# Altium PCB PCB_supply unit.PcbDoc
Units mm, origin at the board's own origin, x right, y up, seen from the top; angles counter-clockwise.
Board outline 65.5 x 61 mm, 4 copper layers (Top Layer, INT1, INT2, Bottom Layer), stack 1.49 mm thick; 35 components, 26 nets, 126 pads, 0 vias.
Unrouted connection lines stored in the file: 70.
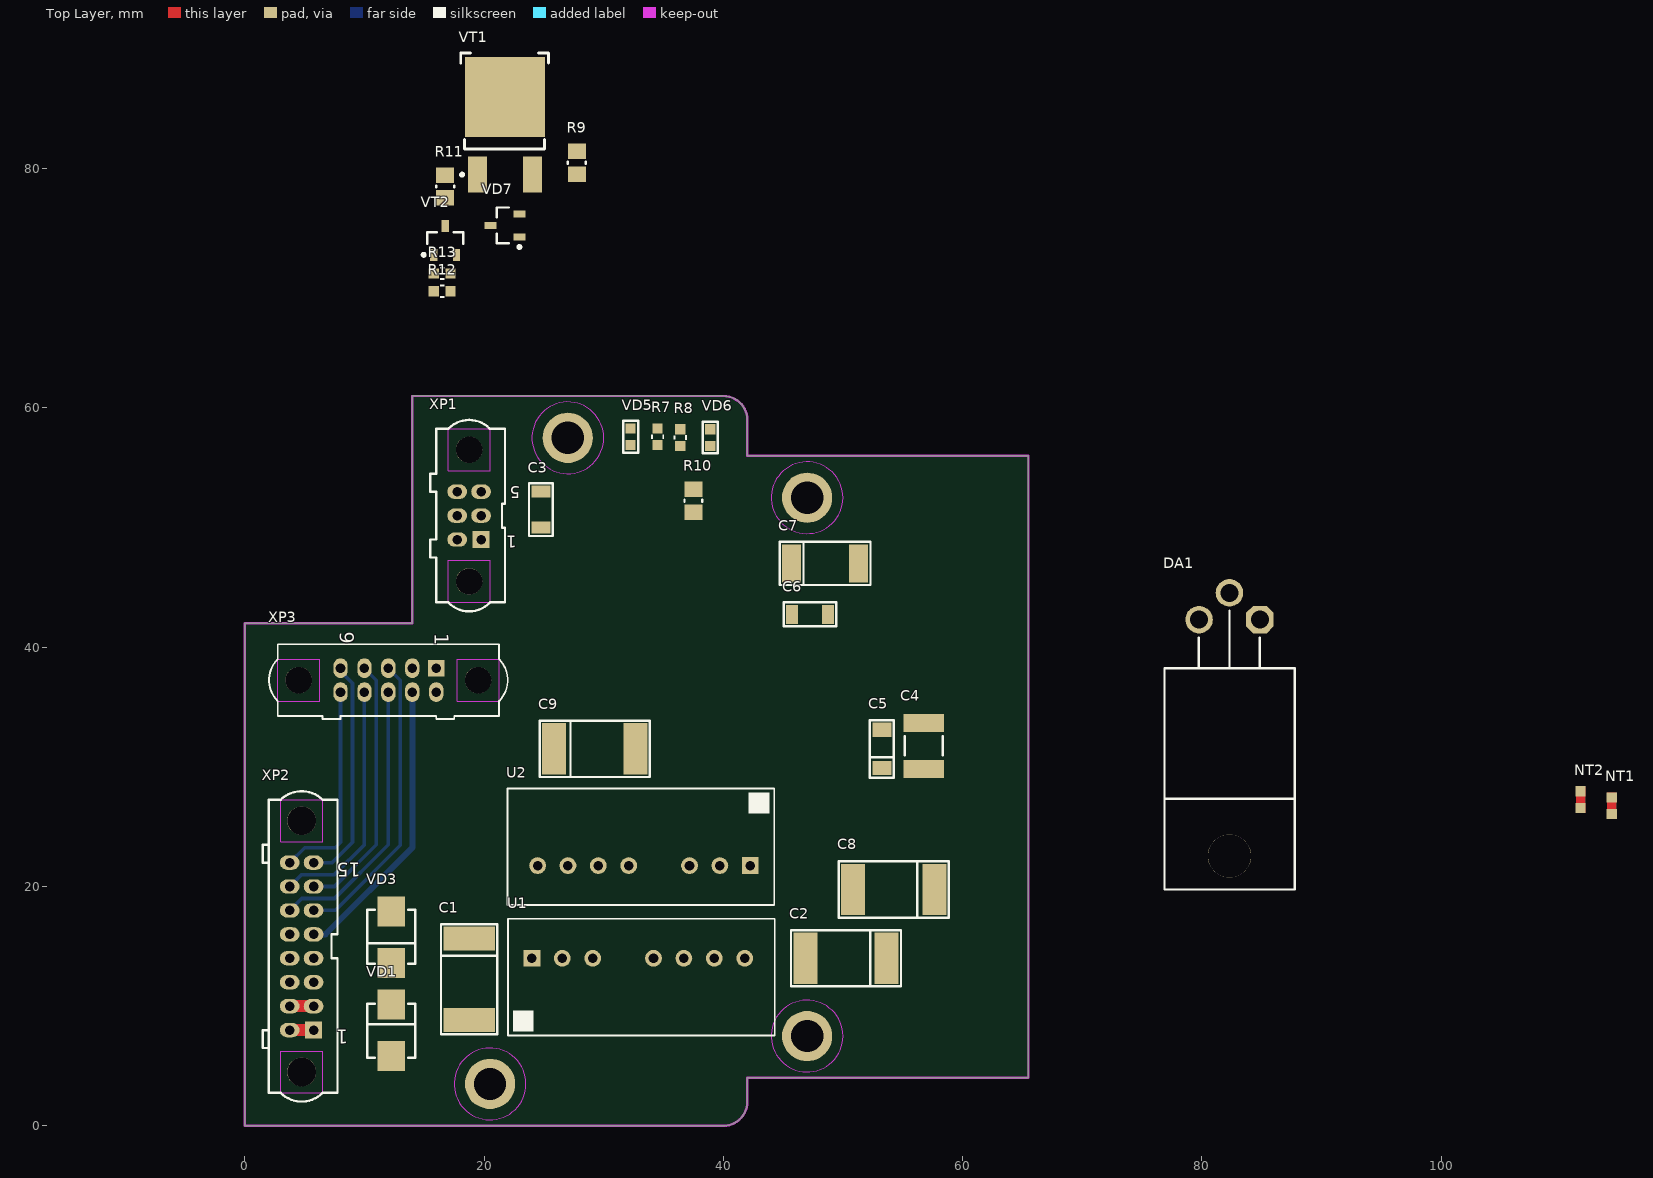
[diagram p0: Top Layer view]
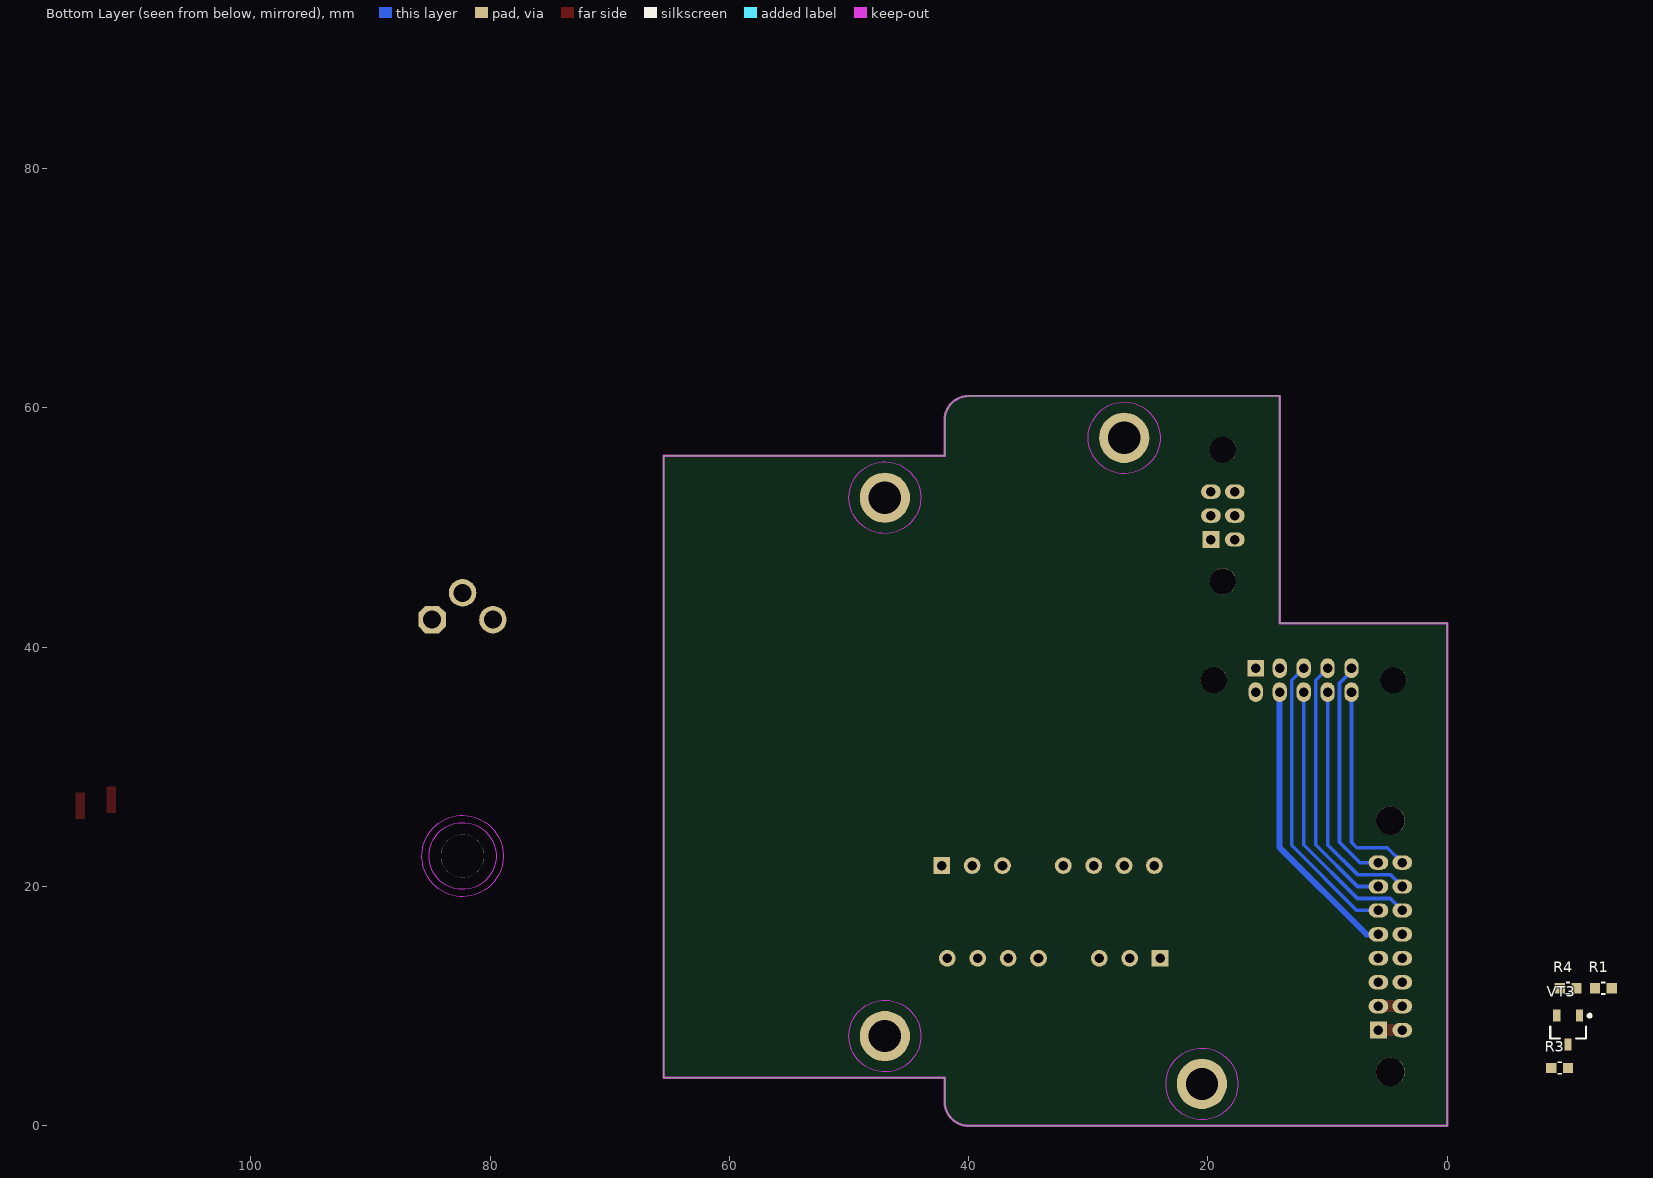
[diagram p1: Bottom Layer view, seen from below]

## Layer stack, top to bottom
Top Solder: solder mask 0.0102, Solder Resist, Dk 3.5
Top Layer: signal copper 0.035
PREPREG1: prepreg 0.32, 2116+7628, Dk 4.2
INT1: signal copper 0.035
CORE1: core 0.71, FR-4, Dk 4.2
INT2: signal copper 0.035
PREPREG2: prepreg 0.32, 2116+7628, Dk 4.2
Bottom Layer: signal copper 0.035
Bottom Solder: solder mask 0.0102, Solder Resist, Dk 3.5

## Board outline
0,0 0,42 14,42 14,61 40,61 cw(c40,59) 42,59 42,56 65.5,56 65.5,4 42,4 42,2 cw(c40,2) 40,0

## Design rules (kind name [scope] priority, off if disabled: settings)
Clearance Clearance_GND-27V [InNetClass('+27V') vs InNetClass('+27V')] p1: gap=0.5 ignorepadtopadclearanceinfootprint=FALSE except(0: Arc-Hole Track-Hole SMDPad-Hole THPad-Hole Via-Hole Fill-Hole Poly-Hole Region-Hole Text-Hole)
Clearance "Keep-Out layer" [OnLayer('Keep-Out Layer')] p2: gap=0.5 ignorepadtopadclearanceinfootprint=FALSE except(0: Arc-Hole Track-Hole SMDPad-Hole THPad-Hole Via-Hole Fill-Hole Poly-Hole Region-Hole Text-Hole)
Clearance Clearance_MultiLayerPad [OnLayer('Multi-Layer') and IsPad] p3: gap=0.25 ignorepadtopadclearanceinfootprint=FALSE except(0: Arc-Hole Track-Hole SMDPad-Hole THPad-Hole Via-Hole Fill-Hole Poly-Hole Region-Hole Text-Hole)
Clearance Clearance_Polygon [InPolygon] p4: gap=0.4 ignorepadtopadclearanceinfootprint=FALSE except(0: Arc-Hole Track-Hole SMDPad-Hole THPad-Hole Via-Hole Fill-Hole Poly-Hole Region-Hole Text-Hole)
Clearance [All] p5: gap=0.2 ignorepadtopadclearanceinfootprint=FALSE except(0: Arc-Hole Track-Hole SMDPad-Hole THPad-Hole Via-Hole Fill-Hole Poly-Hole Region-Hole Text-Hole)
DiffPairsRouting [All] p1: maxlimit=0.254 minlimit=0.15 mostfreqgap=0.254 toplayer_minwidth=0.15 toplayer_maxwidth=0.381 toplayer_prefwidth=0.381 midlayer1_minwidth=0.15 midlayer1_maxwidth=0.381 midlayer1_prefwidth=0.381 midlayer2_minwidth=0.15 midlayer2_maxwidth=0.381 midlayer2_prefwidth=0.381 bottomlayer_minwidth=0.15 bottomlayer_maxwidth=0.381 bottomlayer_prefwidth=0.381 maxuncoupledlength=12.7
Height [All] p1: minheight=0 maxheight=60 prefheight=12.7
HoleSize [All] p1: absolutevalues=TRUE maxlimit=5 minlimit=0.3 maxpercent=80.000 minpercent=20.000
HoleToHoleClearance [All] p1: gap=0.2 allowstackedmicrovias=TRUE
MinimumAnnularRing MinimumAnnularRing_1 [All] p1: minimumring=0.2
MinimumSolderMaskSliver [All] p1: minsoldermaskwidth=0.15
PlaneClearance [All] p1: clearance=0.5
PlaneConnect [All] p1: planeconnectstyle=Relief reliefexpansion=0.5 reliefentries=4 reliefconductorwidth=0.3 reliefairgap=0.2
PolygonConnect PolygonConnect_PowerPAD [All vs InComponentClass('PowerPad')] p1: connectstyle=Direct reliefconductorwidth=1 reliefentries=4 polygonreliefangle="90 Angle" airgapwidth=0.3 // direct connection
PolygonConnect PolygonConnect_PadGND [InNet('GND') and IsPad] p2: connectstyle=Relief reliefconductorwidth=0.4 reliefentries=4 polygonreliefangle="90 Angle" airgapwidth=0.2
PolygonConnect PolygonConnect_Pad_thrue [InNet('GND2') and IsPad] p3: connectstyle=Relief reliefconductorwidth=0.4 reliefentries=4 polygonreliefangle="90 Angle" airgapwidth=0.2
PolygonConnect PolygonConnect_Via [IsVia] p4: connectstyle=Direct reliefconductorwidth=0.254 reliefentries=4 polygonreliefangle="90 Angle" airgapwidth=0.254
PolygonConnect [All] p5: connectstyle=Relief reliefconductorwidth=0.6 reliefentries=4 polygonreliefangle="90 Angle" airgapwidth=0.3
RoomDefinition supply_unit [InComponentClass('supply_unit')] p1 off: confinementstyle=ConfineIn formatcopy=TRUE lockcomponents=FALSE outline -127.35,-59.234 -76.55,-59.234 -76.55,-33.834 -127.35,-33.834
RoutingVias [All] p1: holewidth=0.3 width=0.7 viastyle="Through Hole" minholewidth=0.3 minwidth=0.7 maxholewidth=0.5 maxwidth=1.2
SilkToSilkClearance [All] p1: silktosilkclearance=0
SilkToSolderMaskClearance [IsPad] p1: minsilkscreentomaskgap=0.05 clearancetoexposedcopper=TRUE
SolderMaskExpansion [All] p1: expansion=0.1
Width [All] p1: maxlimit=10 minlimit=0.2 preferedwidth=0.3
21 further rules are at their usual default settings.

## Classes and differential pairs
net class GND: GND(AM) GND(RM) RSGND
net class +27V: +27V_AM +27V_RM

## Components (designator, comment, footprint, x,y, rotation, side; value= is the part's Value field where it differs from the comment)
C1 "Tantalum capacitor, 10мк, 50V, ±10%, 0.7 Ом, case E, -60...+125°C" "CAP: TANTAL-E" 18.75,12.25 r270 top value=10мк
C2 "Tantalum capacitor, 22мк, 25V, ±10%, 0.7 Ом, case D, -60...+125°C" "CAP: TANTAL-D" 50.25,14 r180 top value=22мк
C3 "Ceramic capacitor, 0.47мк, Н90, ±10%, 25V, 1206 (3216M)," "CAP: 1206" 24.75,51.5 r90 top value=0.47мк
C4 "Ceramic capacitor, 4.7мк, H90, +80 -20%, 25V, 1812 (4532М) (4.5x3.2), -55...+125°C" "CAP: 1812" 56.75,31.75 r270 top value=4.7мк
C5 "Tantalum capacitor, 4.7мк, 10V, ±10%, 2Ohm, case A (3216), -55...+125°C" "CAP: TANTAL-A" 53.25,31.5 r90 top value=4.7мк
C6 "Ceramic capacitor, 0.47мк, Н90, ±10%, 25V, 1206 (3216M)," "CAP: 1206" 47.25,42.75 r180 top value=0.47мк
C7 "Tantalum capacitor, 68мк, 10V, ±10%, 1.2 - 1.8Ohm, case C, -55...+125°C" "CAP: TANTAL-C" 48.5,47 r0 top value=68мк
C8 "Tantalum capacitor, 10мк, 50V, ±10%, 0.7 Ом, case E, -60...+125°C" "CAP: TANTAL-E" 54.25,19.75 r180 top value=10мк
C9 "Tantalum capacitor, 22мк, 25V, ±10%, 0.7 Ом, case D, -60...+125°C" "CAP: TANTAL-D" 29.25,31.5 r0 top value=22мк
DA1 "Linear voltage regulator, input 5.8...16V, 0.6V, output 5V, 5A, -60...+125°C, КТ28А (TO-220)" "TO220 (КТ-28А)" 87.75,19.75 r180 top
NT1 "ValueManufacturerPartNumber" NetTie_0603 114.25,26.75 r90 top net-tie
NT2 "ValueManufacturerPartNumber" NetTie_0603 111.65,27.265 r90 top net-tie
R1 "Resistor film, 3.16k, ±1%, 0603, 0.1W, -55...+125°C" "RES: 0603P" -13.05,11.5 r180 bottom value=3.16k
R3 "Resistor film, 0.15, ±20%, 0603, 0.1W, -55...+125°C" "RES: 0603P" -9.4,4.83 r0 bottom value=0.15
R4 "Resistor film, 10k, ±5%, 0603, 0.1W, -55...+125°C" "RES: 0603P" -10.1,11.5 r180 bottom value=10k
R7 "Resistor film, 3.16k, ±1%, 0603, 0.1W, -55...+125°C" "RES: 0603P" 34.5,57.592 r90 top value=3.16k
R8 "Resistor film, 680, ±5%, 0603, 0.1W, -55...+125°C" "RES: 0603P" 36.4,57.525 r90 top value=680
R9 "Resistor film, 680, ±5%, 0805, 0.125W," "RES: 0805P" 27.75,80.5 r90 top value=680
R10 "Resistor film, 4.02k, ±1%, 0805, 0.125W, -55...+125°C" "RES: 0805P" 37.5,52.25 r90 top value=4.02k
R11 "Resistor film, 4.02k, ±1%, 0805, 0.125W, -55...+125°C" "RES: 0805P" 16.75,78.5 r270 top value=4.02k
R12 "Resistor film, 3.16k, ±1%, 0603, 0.1W, -55...+125°C" "RES: 0603P" 16.5,69.75 r180 top value=3.16k
R13 "Resistor film, 10k, ±5%, 0603, 0.1W, -55...+125°C" "RES: 0603P" 16.5,71.25 r180 top value=10k
U1 "DC/DC converter, isolator, 15V 1.5A, -40...+105°C, SIP-8" SIP-8 24,14 r0 top
U2 "DC/DC converter, isolator, 9V 900mA, -40...+105°C, SIP-8" SIP-8 42.25,21.75 r180 top
VD1 "Zener diode, 39V, 8A, 0.9V, RecoveryTime, SMB(КД-42)," "DIODE: SMB" 12.25,8 r90 top
VD3 "Zener diode, 39V, 8A, 0.9V, RecoveryTime, SMB(КД-42)," "DIODE: SMB" 12.25,15.75 r270 top
VD5 "LED, 20mA max, 2.1V typ, 1608, -55...+150°C" "LED: 0603G" 32.25,57.592 r90 top
VD6 "LED, 20mA max, 2.1V typ, 1608, -55...+150°C" "LED: 0603G" 38.9,57.525 r90 top
VD7 "TVS diode, 18V, 1A, VoltageDrop, RecoveryTime, SOT-23, -55...+150°C" SOT23#1 21.75,75.25 r180 top
VT1 "MOSFET P-channel transistor, 60V, 22A, 2.9nC, 2.5W, 40mOhm, 220pF, KT-89 (DPAK/TO-252), -55...+150°C" DPAK 21.75,82.75 r90 top
VT2 "NPN transistor, 30V, 100mA, , 300mW, 0.7V, 500, SOT-23 (КТ-46), -55...+125°C" SOT23#1 16.75,74 r90 top
VT3 "NPN transistor, 40V, 100mA, , 200mW, 1.3V, 220, SOT-23 (КТ-46)," SOT23#2 -10.1,8 r270 bottom
XP1 "Вилка, 6pin, 2mm, 120VAC, 1.5A" "CON: M80-5000605" 18.75,51 r180 top
XP2 ", 16pin, 2mm, 120VAC, 1.5A" "CON: M80-5001605" 4.75,15 r180 top
XP3 "Вилка, 10pin, 2mm, 100V, 1.5A" "CON: M80-5001005" 12,37.25 r270 top

## Footprints (in the part's own frame and the unit in brackets; to place one, negate y for a bottom-side part, rotate by r counter-clockwise, add the part's x,y. Pads: shape width x height; smd on the part's side, far side on the other; paste and mask are expansions set on the pad)
"CAP: 1206" [mm]
  rect 1x1.6 smd: 1(-1.5,0) 2(1.5,0)
  silkscreen extent -2.2,-1 2.2,1, body extent -1.6,-0.8 1.6,0.8, height 1
"CAP: 1812" [mm]
  rect 1.5x3.35 smd: 1(-1.925,0) 2(1.925,0)
  silkscreen extent -0.8,-1.58 0.8,1.58, body extent -2.25,-1.6 2.25,1.6, height 1.6
"CAP: TANTAL-A" [mm]
  rect 1.2x1.6 smd: 1(-1.6,0) 2(1.6,0)
  silkscreen extent -2.4,-1 2.4,1, body extent -1.7,-0.84 1.7,0.84, height 1.71
"CAP: TANTAL-C" [mm]
  rect 1.6x3.2 smd: 1(-2.8,0) 2(2.8,0)
  silkscreen extent -3.8,-1.8 3.8,1.8, body extent -3.05,-1.67 3.05,1.68, height 2.7
"CAP: TANTAL-D" [mm]
  rect 2x4.3 smd: 1(-3.4,0) 2(3.4,0)
  silkscreen extent -4.6,-2.35 4.6,2.35, body extent -3.7,-2.22 3.7,2.23, height 3.01
"CAP: TANTAL-E" [mm]
  rect 2x4.3 smd: 1(-3.4,0) 2(3.4,0)
  silkscreen extent -4.6,-2.35 4.6,2.35, body extent -3.7,-2.22 3.7,2.23, height 4.2
"CON: M80-5000605" [mm] "HR500"
  round 2.2 hole 2.2 unplated mask+0.1: 0(0,5.5) 0(0,-5.5)
  rect 1.4x1.4 hole 0.8: 1(-1,2)
  oval 1.65x1.2 hole 0.8: 2(1,2) 3(-1,0) 4(1,0) 5(-1,-2) 6(1,-2)
  Top Layer keep-out lines w0.1: 1.75,7.25 1.75,3.75 -1.75,3.75 -1.75,7.25 1.75,7.25 ; 1.75,-3.75 1.75,-7.25 -1.75,-7.25 -1.75,-3.75 1.75,-3.75
  Bottom Layer pour cut-out: 2.2,-5.5 1.982,-4.545 1.372,-3.78 0.49,-3.355 -0.49,-3.355 -1.372,-3.78 -1.982,-4.545 -2.2,-5.5 -2.2,-5.5 -1.982,-6.455 -1.372,-7.22 -0.49,-7.645 0.49,-7.645 1.372,-7.22 1.982,-6.455 2.2,-5.5
  Bottom Layer pour cut-out: 2.2,5.5 1.982,6.455 1.372,7.22 0.49,7.645 -0.49,7.645 -1.372,7.22 -1.982,6.455 -2.2,5.5 -2.2,5.5 -1.982,4.545 -1.372,3.78 -0.49,3.355 0.49,3.355 1.372,3.78 1.982,4.545 2.2,5.5
  silkscreen extent -3,-8 3.25,8, body extent -2.78,-8 3.27,8, height 5.6
"CON: M80-5001005" [mm] "10 pin"
  round 2.2 hole 2.2 unplated: 0(0,7.5) 0(0,-7.5)
  rect 1.4x1.4 hole 0.8: 1(-1,4)
  oval 1.65x1.2 hole 0.8: 2(1,4) 3(-1,2) 4(1,2) 5(-1,0) 6(1,0) 7(-1,-2) 8(1,-2) 9(-1,-4) 10(1,-4)
  Top Layer keep-out lines w0.1: 1.75,-9.25 -1.75,-9.25 -1.75,-5.75 1.75,-5.75 1.75,-9.25 ; 1.75,5.75 1.75,9.25 -1.75,9.25 -1.75,5.75 1.75,5.75
  Bottom Layer pour cut-out: 2.2,-7.5 1.982,-6.545 1.372,-5.78 0.49,-5.355 -0.49,-5.355 -1.372,-5.78 -1.982,-6.545 -2.2,-7.5 -2.2,-7.5 -1.982,-8.455 -1.372,-9.22 -0.49,-9.645 0.49,-9.645 1.372,-9.22 1.982,-8.455 2.2,-7.5
  Bottom Layer pour cut-out: 2.2,7.5 1.982,8.455 1.372,9.22 0.49,9.645 -0.49,9.645 -1.372,9.22 -1.982,8.455 -2.2,7.5 -2.2,7.5 -1.982,6.545 -1.372,5.78 -0.49,5.355 0.49,5.355 1.372,5.78 1.982,6.545 2.2,7.5
  silkscreen extent -3,-9.97 3.25,9.97, body extent -2.78,-10 3.27,10, height 5.6
"CON: M80-5001605" [mm] "16pin Harwin"
  round 2.4 hole 2.4 unplated mask+0.1: 0(0,10.5) 0(0,-10.5)
  rect 1.4x1.4 hole 0.8: 1(-1,7)
  oval 1.65x1.2 hole 0.8: 2(1,7) 3(-1,5) 4(1,5) 5(-1,3) 6(1,3) 7(-1,1) 8(1,1) 9(-1,-1) 10(1,-1) 11(-1,-3) 12(1,-3) 13(-1,-5) 14(1,-5) 15(-1,-7) 16(1,-7)
  Top Layer keep-out lines w0.1: 1.75,12.25 -1.75,12.25 -1.75,8.75 1.75,8.75 1.75,12.25 ; 1.75,-8.75 -1.75,-8.75 -1.75,-12.25 1.75,-12.25 1.75,-8.75
  Bottom Layer pour cut-out: 2.2,-10.5 1.982,-9.545 1.372,-8.78 0.49,-8.355 -0.49,-8.355 -1.372,-8.78 -1.982,-9.545 -2.2,-10.5 -2.2,-10.5 -1.982,-11.455 -1.372,-12.22 -0.49,-12.645 0.49,-12.645 1.372,-12.22 1.982,-11.455 2.2,-10.5
  Bottom Layer pour cut-out: 2.2,10.5 1.982,11.455 1.372,12.22 0.49,12.645 -0.49,12.645 -1.372,12.22 -1.982,11.455 -2.2,10.5 -2.2,10.5 -1.982,9.545 -1.372,8.78 -0.49,8.355 0.49,8.355 1.372,8.78 1.982,9.545 2.2,10.5
  silkscreen extent -3,-12.97 3.25,12.97, body extent -2.77,-13 3.28,13, height 5.6
"DIODE: SMB" [mm]
  rect 2.5x2.3 smd: 1(-2.15,0) 2(2.15,0)
  silkscreen extent -2.3,-2 2.2,2, body extent -2.75,-1.95 2.75,1.95, height 2.45
DPAK [mm]
  rect 3x1.6 smd: 1(-3.25,2.29) 2(-3.25,-2.29)
  rect 6.7x6.7 smd: 3(3.25,0)
  round 0.5 on Mech1: ""(-3.2,2.9)
  silkscreen extent -3.37,-3.62 6.9,3.71, body extent -3.8,-3.32 6.3,3.42, height 2.37
"LED: 0603G" [mm]
  rect 0.85x0.85 smd: 1(-0.7,0) 2(0.7,0)
  silkscreen extent -1.33,-0.63 1.33,0.63, body extent -0.8,-0.4 0.8,0.4, height 0.6
NetTie_0603 [mm]
  rect 0.85x0.85 smd: 1(-0.7,0) 2(0.7,0)
  Top Layer region: -1.1,-0.4 1.1,-0.4 1.1,0.4 -1.1,0.4
"RES: 0603P" [mm] "small footprint"
  rect 0.85x0.85 smd: 1(-0.7,0) 2(0.7,0)
  silkscreen extent -0.2,-0.55 0.2,0.55, body extent -0.8,-0.4 0.8,0.4, height 0.44
"RES: 0805P" [mm] "small footprint"
  rect 1.3x1.5 smd: 1(-0.95,0) 2(0.95,0)
  Top Layer pour cut-out: -0.25,-0.75 -0.25,0.75 0.25,0.75 0.25,-0.75
  silkscreen extent -0.08,-0.75 0.08,0.75, body extent -1,-0.62 1,0.63, height 0.6
SIP-8 [mm] "SIP-8"
  rect 1.4x1.4 hole 0.8 mask+0.1: 1(0,0)
  round 1.4 hole 0.8 mask+0.1: 2(2.54,0) 3(5.08,0) 5(10.16,0) 6(12.7,0) 7(15.24,0) 8(17.78,0)
  silkscreen extent -2.01,-6.45 20.3,3.3, body extent -2.01,-6.5 20.29,3.3, height 12.1
SOT23#1 [mm]
  rect 1x0.6 smd: 1(-1.2,0.95) 2(-1.2,-0.95) 3(1.2,0)
  round 0.5 on Mech1: ""(-0.9,1.1)
  silkscreen extent -1.33,-1.5 0.7,1.92, body extent -1.32,-1.52 1.32,1.52, height 1.12
SOT23#2 [mm]
  rect 1x0.6 smd: 1(-1.2,0.95) 2(-1.2,-0.95) 3(1.2,0)
  round 0.5 on Mech2: ""(-0.9,1.1)
  silkscreen extent -1.32,-1.5 0.7,1.92, body extent -1.32,-1.52 1.32,1.52, height 1.12
"TO220 (КТ-28А)" [mm] "горизонтальная установка на плату"
  oct 2.3x2.3 hole 1.5: 1(2.91,-22.55)
  round 2.3 hole 1.5: 2(5.45,-24.8) 3(7.99,-22.55)
  round 3.6 hole 3.6 unplated mask+0.2: 4(5.45,-2.8)
  Bottom Layer keep-out circle w0.1: c5.45,-2.8 r3.4
  Bottom Layer keep-out circle w0.1: c5.45,-2.8 r2.8
  silkscreen extent 0,-23.3 10.87,0, body extent 0.05,-24.97 10.85,0.03, height 5.2

## Part data
C1 C8: library part Tantal_E, Manufacturer=Элеконд, Package="case E", PartNumber="К53-68 \"E\"-50 В-10мкф ±10%", Temperature=-60...+125°C, Tolerance=±10%, TypeCapacitor="Tantalum capacitor", Voltage=50V, Analog="00132739 (pin-to-pin на 15мкФ)", HelpURL=https://eandc.ru/pdf/kondensator/k53-68.pdf, Impedance="0.7 Ом", MAX=00145440, Polarity=+, ValueManufacturerPartNumber="Tantalum capacitor, 10мк, 50V, ±10%, 0.7 Ом, case E, -60...+125°C"
C2 C9: library part Tantal_E, Manufacturer=Элеконд, Package="case D", PartNumber="К53-68 \"D\"-25 В-22мкф ±10%", Temperature=-60...+125°C, Tolerance=±10%, TypeCapacitor="Tantalum capacitor", Voltage=25V, HelpURL=https://eandc.ru/pdf/kondensator/k53-68.pdf, Impedance="0.7 Ом", MAX=00132735, Polarity=+, ValueManufacturerPartNumber="Tantalum capacitor, 22мк, 25V, ±10%, 0.7 Ом, case D, -60...+125°C"
C3 C6: library part Ceramic_0603, Manufacturer=Монолит, Package="1206 (3216M)", PartNumber="К10-84в-3216М-25В-0,47 мкФ ±10%-Н90-N-A", Tolerance=±10%, TypeCapacitor="Ceramic capacitor", TypeDielectric=Н90, Voltage=25V, Analog="MAX 00150226", HelpURL=http://www.monolit.vitebsk.by/Files/K10-84.pdf, ValueManufacturerPartNumber="Ceramic capacitor, 0.47мк, Н90, ±10%, 25V, 1206 (3216M),"
C4: library part Ceramic_1812, Manufacturer=Монолит, Package="1812 (4532М) (4.5x3.2)", PartNumber="К10-84в-4532М-25В-4,7 мкФ +80/-20%-Н90-N-A", Temperature=-55...+125°C, Tolerance="+80 -20%", TypeCapacitor="Ceramic capacitor", TypeDielectric=H90, Voltage=25V, HelpURL=http://www.monolit.vitebsk.by/Files/K10-84.pdf, ValueManufacturerPartNumber="Ceramic capacitor, 4.7мк, H90, +80 -20%, 25V, 1812 (4532М) (4.5x3.2), -55...+125°C"
C5: library part Tantal_A, Manufacturer=Элеконд, Package="case A (3216)", PartNumber="К53-68 \"А\"-10 В-4.7 мкф", Temperature=-55...+125°C, Tolerance=±10%, TypeCapacitor="Tantalum capacitor", TypeDielectric=X7R, Voltage=10V, HelpURL=https://www.digikey.com/product-detail/en/avx-corporation/F930J107KAAAJ6/478-12404-1-ND/9645231, Impedance=2Ohm, MAX=00130629, ValueManufacturerPartNumber="Tantalum capacitor, 4.7мк, 10V, ±10%, 2Ohm, case A (3216), -55...+125°C"
C7: library part Tantal_A, Manufacturer=Элеконд, Package="case C", PartNumber="К53-68 \"C\"-10 В-68 мкф", Temperature=-55...+125°C, Tolerance=±10%, TypeCapacitor="Tantalum capacitor", Voltage=10V, HelpURL=https://www.digikey.com/product-detail/en/avx-corporation/F930J107KAAAJ6/478-12404-1-ND/9645231, Impedance="1.2 - 1.8Ohm", MAX=00149801, ValueManufacturerPartNumber="Tantalum capacitor, 68мк, 10V, ±10%, 1.2 - 1.8Ohm, case C, -55...+125°C"
DA1: library part 1303ЕН5П, "Linear voltage regulator 5V", CurrentOutput=5A, Manufacturer=ELTOM, Package="КТ28А (TO-220)", Temperature=-60...+125°C, VoltageInput="input 5.8...16V", VoltageOutput="output 5V", ComponentType="Linear voltage regulator", HelpURL=https://eandc.ru/pdf/mikroskhema/1303en.pdf, MAX=00123023, MaxDropout=0.6V, PartNumber=1303ЕН5П, ValueManufacturerPartNumber="Linear voltage regulator, input 5.8...16V, 0.6V, output 5V, 5A, -60...+125°C, КТ28А (TO-220)"
NT1 NT2: library part NetTie
R1 R7 R12: library part Resistor_0603, Manufacturer="ОАО Ресурс", Package=0603, PartNumber="Р1-12-0,1ум.-3.16~кОм ±1%-М ШКАБ.434110.002 ТУ", Power=0.1W, Temperature=-55...+125°C, Tolerance=±1%, TypeResistor="Resistor film", HelpURL=https://aoresurs.com/catalog/chip_rezistory/rezistory-r1-12-kategoriya-kachestva-vp-/, MAX=00134464, ValueManufacturerPartNumber="Resistor film, 3.16k, ±1%, 0603, 0.1W, -55...+125°C"
R3: library part Resistor_0603, Manufacturer="ОАО Ресурс", Package=0603, PartNumber="Р1-12-0,1ум.-0.15~Ом ±20%-М ШКАБ.434110.002 ТУ", Power=0.1W, Temperature=-55...+125°C, Tolerance=±20%, TypeResistor="Resistor film", Analog="MAX 00117169 pin-to-pin", HelpURL=https://aoresurs.com/catalog/chip_rezistory/rezistory-r1-12-kategoriya-kachestva-vp-/, MAX=00133968, ValueManufacturerPartNumber="Resistor film, 0.15, ±20%, 0603, 0.1W, -55...+125°C"
R4 R13: library part Resistor_0603, Manufacturer="ОАО Ресурс", Package=0603, PartNumber="Р1-12-0,1ум.-10~кОм ±5%-М ШКАБ.434110.002 ТУ", Power=0.1W, Temperature=-55...+125°C, Tolerance=±5%, TypeResistor="Resistor film", Analog="MAX 00133986 (1%)", HelpURL=https://aoresurs.com/catalog/chip_rezistory/rezistory-r1-12-kategoriya-kachestva-vp-/, ValueManufacturerPartNumber="Resistor film, 10k, ±5%, 0603, 0.1W, -55...+125°C"
R8: library part Resistor_0603, Manufacturer="ОАО Ресурс", Package=0603, PartNumber="Р1-12-0,1ум.-680~Ом ±5%-М ШКАБ.434110.002 ТУ", Power=0.1W, Temperature=-55...+125°C, Tolerance=±5%, TypeResistor="Resistor film", HelpURL=https://aoresurs.com/catalog/chip_rezistory/rezistory-r1-12-kategoriya-kachestva-vp-/, MAX=00134086, ValueManufacturerPartNumber="Resistor film, 680, ±5%, 0603, 0.1W, -55...+125°C"
R9: library part Resistor_0805, Manufacturer=Ресурс, Package=0805, PartNumber="Р1-12-0,125-680 Ом ±5%-М ШКАБ.434110.002 ТУ", Power=0.125W, Tolerance=±5%, TypeResistor="Resistor film", HelpURL=https://aoresurs.com/catalog/chip_rezistory/rezistory-r1-12-kategoriya-kachestva-vp-/, MAX=00133924, ValueManufacturerPartNumber="Resistor film, 680, ±5%, 0805, 0.125W,"
R10 R11: library part Resistor_0603, Manufacturer="ОАО Ресурс", Package=0805, PartNumber="Р1-12-0,1ум.-4.02~кОм ±1%-М ШКАБ.434110.002 ТУ", Power=0.125W, Temperature=-55...+125°C, Tolerance=±1%, TypeResistor="Resistor film", HelpURL=https://aoresurs.com/catalog/chip_rezistory/rezistory-r1-12-kategoriya-kachestva-vp-/, ValueManufacturerPartNumber="Resistor film, 4.02k, ±1%, 0805, 0.125W, -55...+125°C"
  R10: MAX=00123886
  R11: Analog=00123886
U1: library part МДМ3-1В09СН, "DC/DC converter", Manufacturer=Aedon, OutputVoltage="15V 1.5A", Package=SIP-8, PartNumber=МДМ5-1В15НН, Temperature=-40...+105°C, ComponentType="DC/DC converter", HelpURL=https://www.aedon.ru/catalog/dcdc/models/96, OutputType=isolator, ValueManufacturerPartNumber="DC/DC converter, isolator, 15V 1.5A, -40...+105°C, SIP-8", Vin=18-36V
U2: library part МДМ3-1В09СН, "DC/DC converter", Manufacturer=Aedon, OutputVoltage="9V 900mA", Package=SIP-8, Temperature=-40...+105°C, ComponentType="DC/DC converter", HelpURL=https://www.aedon.ru/catalog/dcdc/models/96, OutputType=isolator, PartNumber=МДМ3-1В09СН, ValueManufacturerPartNumber="DC/DC converter, isolator, 9V 900mA, -40...+105°C, SIP-8", Vin=18-36V
VD1 VD3: library part TVS_single, Current=8A, Manufacturer=НЗПП, Package=SMB(КД-42), PartNumber=2Р245Е91, Voltage=39V, VoltageDrop=0.9V, Analog=SMA6J33A, HelpURL=http://www.nzpp.ru/product/, TypeDiode="Zener diode", ValueManufacturerPartNumber="Zener diode, 39V, 8A, 0.9V, RecoveryTime, SMB(КД-42),"
VD5 VD6: library part LED_single, Color=GREEN, Current="20mA max", Manufacturer=Протон, Package=1608, PartNumber=ИПД169А9-Л, Temperature=-55...+150°C, VoltageDrop="2.1V typ", Analog="MAX 00129484 КР-1608 Kingbright (pin-to-pin)", TypeDiode=LED, ValueManufacturerPartNumber="LED, 20mA max, 2.1V typ, 1608, -55...+150°C"
  VD5: CommentText=15V
  VD6: CommentText=5V
VD7: library part TVS_array_var2, Current=1A, Manufacturer=КРИП, Package=SOT-23, PartNumber=2Р192В9, Temperature=-55...+150°C, Voltage=18V, Analog="КР192А9 (ОТК) (pin-to-pin)", Cap=21pF, NOTE="указано для pin1-pin3", TypeDiode="TVS diode", Uогр.=22.5V, ValueManufacturerPartNumber="TVS diode, 18V, 1A, VoltageDrop, RecoveryTime, SOT-23, -55...+150°C"
VT1: library part MOSFET_P_132, CurrentDS=22A, InputCapacitor=220pF, Manufacturer=Ангстрем, MaxPower=2.5W, Package="KT-89 (DPAK/TO-252)", PartNumber=2ПЕ209Б92, Temperature=-55...+150°C, VoltageDS=60V, Analog="SUD50P06-15 (pin-to-pin)", GateCharge=2.9nC, HelpURL=https://www.vishay.com/docs/68940/sud50p06-15.pdf, RDS=40mOhm, TypeTransistor="MOSFET P-channel transistor", ValueManufacturerPartNumber="MOSFET P-channel transistor, 60V, 22A, 2.9nC, 2.5W, 40mOhm, 220pF, KT-89 (DPAK/TO-252), -55...+150°C"
VT2: library part BJT_NPN_132, CurrentCE=100mA, CurrentGain=500, Manufacturer="ООО НПК Далекс", MaxPower=300mW, Package="SOT-23 (КТ-46)", PartNumber=2Т3130Б9, Temperature=-55...+125°C, VoltageCE=30V, VoltageSaturation=0.7V, HelpURL=http://www.radioman-portal.ru/sprav/pp/transisters/sourse/2t3130.pdf, MAX=00123842, TypeTransistor="NPN transistor", ValueManufacturerPartNumber="NPN transistor, 30V, 100mA, , 300mW, 0.7V, 500, SOT-23 (КТ-46), -55...+125°C"
VT3: library part BJT_PNP_123, CurrentCE=100mA, CurrentGain=220, MaxPower=200mW, Package="SOT-23 (КТ-46)", PartNumber=2Т3129Б9, VoltageCE=40V, VoltageSaturation=1.3V, HelpURL=https://eandc.ru/pdf/tranzistor/2t3129_kt3129.pdf, MAX=00123135, TypeTransistor="NPN transistor", ValueManufacturerPartNumber="NPN transistor, 40V, 100mA, , 200mW, 1.3V, 220, SOT-23 (КТ-46),"
XP1: library part "M80-5000605 Harwin", "вилка на плату", CurrentMax=1.5A, Manufacturer=Электроделать, PartNumber=СНП401-6ВП21-3-1-1, VoltageMax=120VAC, Analog="MAX 00126397 (M80-5000605 pin-to-pin)", CommentText=СНП401, HelpURL=https://eu.mouser.com/ProductDetail/Harwin/M80-5000605?qs=yQtJ9TWM%2F1KaJIUUBEXorg%3D%3D, Multichannel=6pin, Pitch=2mm, TypeConnector=Вилка, ValueManufacturerPartNumber="Вилка, 6pin, 2mm, 120VAC, 1.5A"
XP2: library part "M80-5001205 Harwin_1", "вилка на плату", CurrentMax=1.5A, Manufacturer=Электродеталь, PartNumber=СНП401-16ВП21-3-1-1, VoltageMax=120VAC, Analog="MAX 00139241 [М80-5101605] (pin-to-pin)", CommentText=СНП401, HelpURL=https://www.digikey.com/product-detail/en/harwin-inc/M80-5001605/952-2626-ND/5175716, Multichannel=16pin, Pitch=2mm, ValueManufacturerPartNumber=", 16pin, 2mm, 120VAC, 1.5A"
XP3: library part "M80-5001005 Harwin", "вилка на плату", CurrentMax=1.5A, Manufacturer=Электродеталь, PartNumber=СНП401-10ВП21-3-1-1, VoltageMax=100V, Analog="MAX 00126377 (M80-5001042 pin-to-pin)", CommentText=СНП401, HelpURL=https://eu.mouser.com/ProductDetail/Harwin/M80-5001005?qs=yQtJ9TWM%2F1KRz59nPe3lqQ%3D%3D, Multichannel=10pin, Pitch=2mm, TypeConnector=Вилка, ValueManufacturerPartNumber="Вилка, 10pin, 2mm, 100V, 1.5A"

## Free pads (board coordinates)
  round 4.2 hole 2.7: ""(20.5,3.5) ""(27,57.5) ""(47,7.5) ""(47,52.5)

## Nets (pads, with @x,y where several pads share a name; then routed paths per layer and width w, separated by ;. In a path a pad name is that pad's centre, name@x,y a point inside that pad or via, vN(x,y) a via of type N, cw(c..) or ccw(c..) an arc to the next point about the centre after c; other vN are vias at no path point)
+5V: C6.2 C7.1 DA1.3 R4.1 VD6.1 VT3.2 XP3.1
+9V: C4.2 C5.1 C9.2 DA1.1 U2.6
+15V: C2.2 C3.2 U1.6 VD5.1 XP1.1
+27V_AM: C8.2 U2.2 VD3.2 XP2.5
+27V_RM: C1.2 R9.1 R10.1 U1.2 VD1.2 VD7.1 VD7.2 VT1.2 XP2.3 XP2.4 | length 2
  Top Layer w1: XP2.4 XP2.3
"+27V_RM (lim)": R9.2 VT1.3 XP1.3 XP1.4
A_P: XP2.13 XP3.7 | length 21.9
  Bottom Layer w0.3: XP2.13 7.5,20 11,23.5 11,37.25 XP3.7
ADR0: XP2.12 XP3.6 | length 23.3
  Bottom Layer w0.3: XP2.12 4.75,19 7.5,19 12,23.5 XP3.6
ADR1: XP2.14 XP3.8 | length 20.4
  Bottom Layer w0.3: XP2.14 4.75,21 7.5,21 10,23.5 XP3.8
B_N: XP2.15 XP3.9 | length 18.9
  Bottom Layer w0.3: XP2.15 7.3,22 9,23.7 9,37 8,38 XP3.9
DC_MOSFET: R1.2 R12.1 XP3.2
GND(AM): C4.1 C5.2 C6.1 C7.2 C8.1 DA1.2 NT1.1 NT2.1 R8.2 R13.1 U2.1 VD3.1 VT2.2 XP2.6 XP2.7 XP3.3
GND(RM): C1.1 C2.1 C3.1 NT1.2 R7.1 U1.1 U1.7 VD1.1 XP1.2 XP1.5 XP1.6 XP2.1 XP2.2 | length 2
  Top Layer w1: XP2.2 XP2.1
NetC9_1: C9.1 U2.7
NetR1_1: R1.1 R4.2 VT3.1
NetR3_1: R3.1 VT3.3
NetR3_2: R3.2 U1.3
NetR7_2: R7.2 VD5.2
NetR8_1: R8.1 VD6.2
NetR10_2: R10.2 R11.1 VD7.3 VT1.1
NetR11_2: R11.2 VT2.3
NetR12_2: R12.2 R13.2 VT2.1
R1.120: XP2.11 XP3.5 | length 24.7
  Bottom Layer w0.3: XP2.11 7.55,18 13,23.45 13,37.25 XP3.5
R2.120: XP2.16 XP3.10 | length 17.5
  Bottom Layer w0.3: XP2.16 5,23.25 7.55,23.25 8,23.7 XP3.10
RSGND: NT2.2 XP2.9 XP3.4 | length 24.3
  Bottom Layer w0.5: XP2.9 6.75,16 14,23.25 XP3.4
Корпус: XP2.8
pads on no net: DA1.4 U1.5 U1.8 U2.3 U2.5 U2.8 VD7. VT1. VT2. VT3. XP1.0 XP2.0 XP2.10 XP3.0

## Keep-outs
Top Layer:
  circle w0.05: c20.5,3.5 r3
  circle w0.05: c47,7.5 r3
  circle w0.05: c47,52.5 r3
  circle w0.05: c27,57.5 r3
Bottom Layer:
  circle w0.05: c20.5,3.5 r3
  circle w0.05: c47,7.5 r3
  circle w0.05: c47,52.5 r3
  circle w0.05: c27,57.5 r3
Keep-Out Layer:
  the board outline again, w0.2

## Silkscreen, mask and mechanical layers (free items; w line width, h text height)
Mechanical 11:
  lines w0.05: 41,1 41,60

## Text inside footprints (layer, text, board x,y; h text height)
DA1: Bottom Assy "IN GND OUT" at 87.425,33.375 h2 r180
XP1: Top Overlay "5" at 23.025,53.475 h1 r180; Top Overlay "1" at 22.75,49.3 h1 r180
XP2: Top Overlay "1" at 8.65,8.45 h2 r180; Top Overlay "15" at 9.7,22.4 h2 r180
XP3: Top Overlay "9" at 7.5,41.277 h2 r270; Top Overlay "1" at 15.45,41.15 h2 r270